# Allegro board PoF_TMR_A1-JAN-21-26.brd (continued)
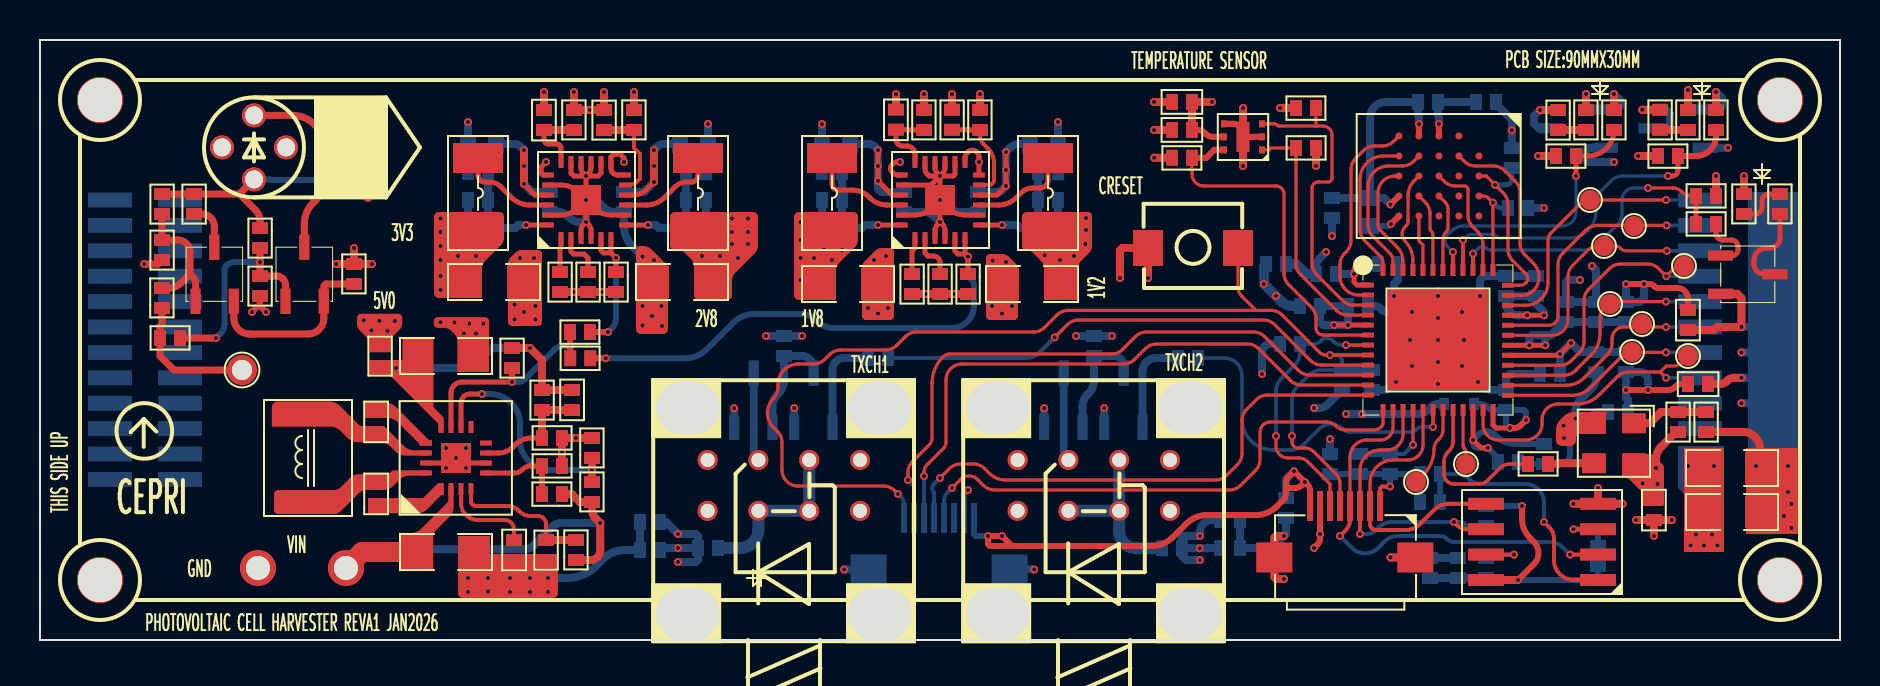
[diagram p0: board, top side]
## Routing (per net, layer and track width the routed paths; a pad name or vN(x,y) marks a point on that pad's centre or on a via; arc(x,y) is an arc through that point) (continued)
  BOTTOM w0.5: C51.2 62.8,18.8 63.3,18.3 C35.2
  vias: v1(20.02,15.89) v1(20.3,9.6) v1(20.3,8.6) v1(20.73,15.88) v1(21.2,15.33) v1(21.3,9.6) v1(21.3,8.6) v1(21.4,3.1) v1(21.4,2.4) v1(21.47,15.81) v1(21.8,15.33) v1(22.18,15.81) v1(22.4,3.1) v1(22.4,2.43) v1(23.5,3.1) v1(23.5,2.4) v1(23.73,16.77) v1(23.73,16.03) v1(24,19.1) v1(24.2,16.4) v1(24.5,3.1) v1(24.5,2.4) v1(24.7,19.1) v1(24.77,16.7) v1(24.77,16.03) v1(25.4,2.4) v1(30.13,16.7) v1(30.13,15.73) v1(30.6,16.2) v1(30.7,19) v1(31.07,16.7) v1(31.1,15.7) v1(41.4,16.6) v1(41.7,19) v1(41.9,16.33) v1(42.3,19.2) v1(42.4,16.6) v1(47.63,18.97) v1(47.6,16.7) v1(48.1,16.33) v1(48.3,18.9) v1(48.6,16.7) v1(68.5,15) v1(68.6,13.7) v1(69.9,17.2) v1(69.9,16.1) v1(69.9,15) v1(69.9,13.9) v1(69.9,12.8) v1(71.1,16.4) v1(71.1,13.7) v1(71.2,15) v1(76.18,10.72) v1(85.8,8.7) v1(87.2,6.2) v1(87.4,8.7) v1(87.4,7.4) v1(87.57,6.8) v1(87.57,5.6)
P1V2: length 63.2
  TOP w0.3: v1(79.3,12.5) v1(80.4,12.5) 81.41,12.5 arc(81.59,12.53) 81.73,12.63 81.77,12.67 arc(81.91,12.77) 82.09,12.8 C11.1 ; v1(79.3,17.8) v1(80.2,17.8) 80.48,17.8 arc(80.59,17.78) 80.68,17.72 80.72,17.68 arc(80.81,17.62) 80.92,17.6 81.88,17.6 arc(82.25,17.45) 82.4,17.07 C9.1
  VCC w0.3: v1(50.23,19.23) 50.37,19.09 arc(50.47,19.02) 50.6,19 v1(51,19) 51.2,19.2 v1(51.7,19.2) 52,19.5 52,19.52 v1(52.27,19.8) ; v1(79.3,12.5) 77.02,12.5 arc(76.72,12.56) 76.47,12.73 76.43,12.77 arc(76.18,12.94) 75.88,13 74.5,13 arc(73.44,13.44) 73,14.5 73,16.7 arc(72.56,17.76) 71.5,18.2 68.02,18.2 arc(67.45,18.09) 66.96,17.76 66.84,17.64 arc(66.35,17.31) 65.78,17.2 v1(61.8,17.2) v1(61.2,17.8) 59.64,19.36 arc(59.15,19.69) 58.58,19.8 v1(52.27,19.8) ; v1(79.3,12.5) v1(79.3,17.8) v1(80.2,17.8) ; v1(79.3,12.5) v1(80.4,12.5) ; v1(52.27,19.8) 52.3,19.83 v1(52.3,20.5) v1(52.3,21.1)
  BOTTOM w0.4: C25.2 50.9,21.41 50.9,21.4 R55.2 51.39,20.61 51.5,20.5 v1(52.3,20.5) ; C52.1 79.4,12.01 79.3,12.11 v1(79.3,12.5) R64.2 79.99,13.4 arc(80.28,13.28) 80.4,12.99 v1(80.4,12.5) ; v1(79.3,17.8) FB2.2 80,16.9 80.2,17.1 v1(80.2,17.8)
  BOTTOM w0.5: C51.1 61.2,18.7 v1(61.2,17.8) v1(61.8,17.2) 62.09,16.91 arc(62.32,16.76) 62.6,16.7 FB1.2
P1V8: length 218.4
  TOP w0.25: U5.22 v1(71.65,10) 71.95,9.71 arc(72.06,9.63) 72.2,9.6 v1(72.4,9.6) ; v1(75.2,16.24) v1(74.36,16.24) U5.33 ; v1(66,18.9) 65.79,18.69 arc(65.72,18.59) 65.7,18.48 v1(65.7,18.3) 65.7,17.9 65.85,17.75 U5.1
  TOP w0.3: 48.6,4.7 55.58,4.7 arc(56.15,4.81) 56.64,5.14 57.31,5.81 arc(57.79,6.13) 58.37,6.25 60.78,6.25 arc(61.36,6.36) 61.85,6.69 62.24,7.08 arc(62.29,7.25) 62.3,7.41 62.3,7.6 ; 48.6,4.7 v1(48.1,5.2) v1(47.4,5.2) 47.4,4.8 47.5,4.7 48.6,4.7 ; v1(63.24,7.9) 63.07,7.73 arc(62.93,7.63) 62.76,7.6 62.3,7.6 ; v1(63.24,7.9) 63.39,7.75 arc(63.47,7.63) 63.5,7.49 J1.8 ; v1(63.24,7.9) v1(62.7,8.44) 62.43,8.18 arc(62.33,8.03) 62.3,7.85 62.3,7.6 ; v1(74.1,6.7) 74.1,6.07 arc(74.2,5.54) 74.5,5.1 74.7,4.9 arc(74.93,4.35) 74.7,3.8 v1(73.9,3) ; C4.1 57.88,25.5 arc(58.07,25.46) 58.24,25.35 58.28,25.31 arc(58.45,25.2) 58.64,25.16 U1.5
  TOP w0.4: C4.1 C1.1 v1(58.6,26.9) ; U7.8 v1(73.9,3) ; R16.2 v1(83.8,23.2) ; R38.2 81.8,10.4 81.05,9.65 arc(80.87,9.37) 80.8,9.04 v1(80.8,8.6) ; R1.2 v1(62,26.6) ; R12.2 v1(63.8,23.7) ; R14.2 v1(79.9,24.2) ; R15.2 v1(55.71,24.11) ; R13.2 v1(74.9,24.2)
  VCC w0.127: v1(63.7,11.6) 61.3,11.6 arc(61.16,11.66) 61.1,11.8 v1(61.1,13.3)
  VCC w0.3: v1(74.9,24.2) 76.38,24.2 arc(76.95,24.09) 77.44,23.76 77.66,23.54 arc(78.15,23.21) 78.72,23.1 79.3,23.1 arc(79.72,23.28) 79.9,23.7 v1(79.9,24.2) 80.98,24.2 arc(81.55,24.09) 82.04,23.76 82.6,23.2 82.7,23.2 ; v1(74.9,24.2) 73.89,25.21 73.87,25.21 v1(73.59,25.49) ; v1(74.9,24.2) 74.9,23.87 arc(74.89,23.81) 74.86,23.77 74.8,23.71 arc(74.72,23.5) 74.8,23.3 74.92,23.18 arc(75.13,22.87) 75.2,22.5 v1(75.2,21.6) v1(75.2,16.24) v1(74.36,16.24) ; v1(38.7,19.1) 39.11,19.1 39.17,19.04 arc(39.21,19.01) 39.27,19 v1(39.6,19) ; v1(38.7,19.1) 39.12,19.52 v1(39.2,19.52) 39.69,19.52 39.71,19.5 v1(40.1,19.5) ; v1(38.7,19.1) v1(38.03,19.1) ; v1(48.1,5.2) v1(47.4,5.2) ; v1(62.7,8.44) v1(63.24,7.9) ; v1(63.24,7.9) 63.24,8.52 arc(63.29,8.77) 63.43,8.98 v1(64.5,10.05) arc(64.48,10.16) 64.41,10.26 63.8,10.87 63.8,11.02 63.7,11.12 v1(63.7,11.6) ; v1(63.24,7.9) 63.98,7.9 arc(64.55,8.01) 65.04,8.34 65.26,8.56 arc(65.75,8.89) 66.32,9 67.28,9 arc(67.85,8.89) 68.34,8.56 68.66,8.24 arc(69.15,7.91) 69.72,7.8 72.38,7.8 arc(72.95,7.69) 73.44,7.36 v1(74.1,6.7) 74.1,7.68 arc(74.06,7.88) 73.94,8.06 73.5,8.5 ; 82.7,23.2 83,22.9 83,13.43 arc(82.85,12.66) 82.41,12.01 81.24,10.84 arc(80.91,10.35) 80.8,9.78 v1(80.8,8.6) 80.43,8.6 arc(80.22,8.56) 80.04,8.44 79.86,8.26 ; 82.7,23.2 v1(83.8,23.2) ; v1(38.02,20.9) v1(38.02,20) 38.02,18.39 38.03,18.39 v1(38.03,18) ; v1(80.87,7.8) 80.64,7.57 arc(80.59,7.54) 80.53,7.52 80.51,7.52 arc(80.44,7.54) 80.39,7.57 v1(80.13,7.83) 79.9,8.06 arc(79.87,8.11) 79.86,8.17 79.86,8.26 ; v1(71.65,10) 71.84,10 arc(71.99,9.97) 72.11,9.89 v1(72.4,9.6) 73.5,8.5 ; 73.5,8.5 79.45,8.5 arc(79.6,8.47) 79.72,8.39 79.86,8.26
  VCC w0.5: v1(58.6,26.9) 58.6,25.7 ; 58.6,25.7 60.51,25.7 arc(61.06,25.81) 61.51,26.11 v1(62,26.6) 63.45,25.15 arc(63.71,24.76) 63.8,24.3 v1(63.8,23.7) 64.41,23.09 arc(64.55,22.88) 64.6,22.64 ; 58.6,25.7 57.43,24.53 arc(56.96,24.22) 56.41,24.11 v1(55.71,24.11) 53.74,24.11 arc(52.78,23.92) 51.97,23.38 50.7,22.11 arc(50.36,21.88) 49.95,21.8 49.9,21.8 arc(49.48,21.62) 49.3,21.2 49.3,18.4 arc(49.15,18.05) 48.8,17.9 47.27,17.9 arc(46.8,17.7) 46.6,17.23 46.6,16.4 arc(46.37,15.83) 45.8,15.6 43.8,15.6 arc(43.45,15.75) 43.3,16.1 43.3,16.92 arc(43.1,17.4) 42.62,17.6 39.9,17.6 39.6,17.9 v1(39.6,19) ; v1(65.7,18.3) 65.7,18.46 arc(65.73,18.59) 65.8,18.7 v1(66,18.9) 65.72,19.18 65.62,19.18 v1(64.6,20.2) 64.6,22.64 ; v1(75.2,21.6) 75.18,21.58 arc(74.76,21.3) 74.26,21.2 71,21.2 71,21.6 arc(70.44,22.94) 69.1,23.5 65.46,23.5 64.6,22.64
  BOTTOM w0.3: C45.1 73.79,9.8 arc(73.24,9.91) 72.78,10.22 72.72,10.28 arc(72.33,10.44) 71.93,10.28 v1(71.65,10) 71.65,9.85 arc(71.72,9.67) 71.9,9.6 v1(72.4,9.6) 72.9,9.1 C46.1 ; R74.2 77.9,3.2 77.7,3 v1(73.9,3) 73.14,3 73.04,3.1 R75.2 ; v1(48.1,5.2) v1(47.4,5.2) 46.8,5.2 46.7,5.3 J4.8 ; R71.2 v1(74.1,6.7)
  BOTTOM w0.4: v1(62.7,8.44) 62.3,8.04 C49.1 ; v1(66,18.9) 66.4,18.9 66.5,18.8 C34.1 ; v1(75.2,16.24) 75.2,16.4 74.8,16.8 C36.1 C37.1 73.3,16.82 arc(73.34,16.62) 73.45,16.45 73.51,16.39 arc(73.68,16.28) 73.88,16.24 v1(74.36,16.24) ; R75.2 C47.1 C48.1 ; R59.1 61.51,14.8 arc(61.22,14.68) 61.1,14.39 v1(61.1,13.3) ; R65.1 64.35,11.75 arc(64.18,11.64) 63.99,11.6 v1(63.7,11.6) ; R54.2 v1(75.2,21.6) ; C35.1 v1(65.7,18.3) ; C26.2 39.1,21.41 39.1,21.4 R56.2 39.2,20.5 v1(39.2,19.52) ; R48.2 v1(73.59,25.49) 73.6,25.5 73.6,26 72.8,26.8 C50.1 ; R68.2 v1(64.5,10.05) ; L6.2 v1(64.6,20.2)
P2V8: length 57.9
  VCC w0.5: 64.6,13 64.26,13 arc(64.02,13.05) 63.82,13.18 62.53,14.47 arc(61.72,15.01) 60.76,15.2 59.64,15.2 arc(58.68,15.39) 57.87,15.93 57.53,16.27 arc(56.72,16.81) 55.76,17 51.91,17 arc(50.95,16.81) 50.14,16.27 48.9,15.03 arc(48.09,14.49) 47.14,14.3 42.02,14.3 arc(41.06,14.49) 40.25,15.03 39.22,16.07 arc(38.41,16.61) 37.45,16.8 36.05,16.8 arc(35.63,16.88) 35.28,17.12 34.9,17.5 ; 64.6,13 65.37,13 arc(65.93,12.89) 66.4,12.57 66.47,12.5 arc(66.64,12.09) 66.47,11.67 v1(66.1,11.3) v1(65.3,11.3) 65.3,12.07 arc(65.26,12.28) 65.14,12.46 64.6,13 ; 34.9,17.5 34.27,17.5 arc(33.44,17.84) 33.1,18.67 v1(33.1,19.2) v1(34,19.2) v1(34.6,19.8) v1(34.6,20.4) v1(34.6,21.07) v1(35.4,21.07) v1(35.4,20.4) v1(35.4,19.8) 35.4,19.21 35.29,19.1 v1(34.9,19.1) 34.9,17.5
  BOTTOM w0.4: C27.2 33.3,21.21 33.3,21.2 R57.2 33.79,20.61 34,20.4 v1(34.6,20.4) ; D6.2 69.91,11.8 arc(69.72,11.76) 69.55,11.65 69.42,11.52 arc(69.18,11.36) 68.89,11.3 v1(66.1,11.3) v1(65.3,11.3)
P3V3: length 175.4
  TOP w0.4: D3.2 v1(85.2,23.2) ; D1.2 v1(77.3,27.3) ; D2.2 v1(82.4,27.5)
  VCC w0.3: v1(17.2,23) 16.68,22.48 16.68,22.38 v1(16.4,22.1) ; v1(17.2,23) 16.68,23.52 16.68,23.62 v1(16.4,23.9) ; v1(17.2,23) 18.98,23 arc(19.55,22.89) 20.04,22.56 20.1,22.5 arc(20.3,22.02) 20.1,21.54 20.03,21.46 v1(20.03,21.07) v1(20.03,20.4) v1(20.03,19.7) v1(20.03,19) ; v1(38.1,15.2) v1(36.3,15.2) 37,14.5 arc(37.43,13.45) 37,12.4 36.5,11.9 arc(36.29,11.4) 36.5,10.9 36.86,10.54 arc(37.19,10.05) 37.3,9.48 37.3,5.42 arc(37.26,5.22) 37.14,5.04 36.7,4.6 ; 36.7,4.6 v1(31.9,4.6) ; 36.7,4.6 42.61,4.6 arc(42.97,4.53) 43.28,4.32 43.6,4 ; v1(31.9,4.6) v1(31.9,3.9) ; v1(31.9,4.6) v1(31.9,5.3) 31.67,5.3 arc(31.52,5.27) 31.39,5.18 31.31,5.1 arc(31,4.97) 30.7,5.1 29.24,6.56 arc(28.91,7.05) 28.8,7.62 28.8,10.28 arc(28.69,10.85) 28.36,11.34 27.44,12.26 arc(26.95,12.59) 26.38,12.7 26.12,12.7 arc(25.55,12.81) 25.06,13.14 24.84,13.36 arc(24.35,13.69) 23.78,13.8 19.03,13.8 18.9,13.93 18.9,15.75 arc(19.01,16.33) 19.34,16.81 v1(20.03,17.5) v1(20.03,18.2) v1(20.03,19) ; v1(83.7,8.7) 83.7,5.76 83.6,5.66 v1(83.6,5.27) ; v1(83.7,8.7) v1(82.4,8.7) ; v1(83.7,8.7) 83.8,8.7 86.16,11.06 arc(86.49,11.55) 86.6,12.12 86.6,21.18 arc(86.49,21.75) 86.16,22.24 v1(85.2,23.2) 85.39,23.39 arc(85.5,23.55) 85.54,23.75 85.54,24.66 arc(85.24,25.38) 84.53,25.68 82.4,25.68 ; v1(20.03,19) 20.5,19 20.7,19.2 v1(20.9,19.2) v1(21.8,19.2) ; v1(58,5.2) 57.99,5.19 v1(57.99,4.59) ; 53.71,4.59 53.04,5.26 arc(52.71,5.75) 52.6,6.32 52.6,9.68 arc(52.54,9.98) 52.37,10.23 52.1,10.5 arc(51.69,11.5) 52.1,12.5 53.2,13.6 arc(53.5,14.04) 53.6,14.57 v1(53.6,15.2) v1(51.8,15.2) ; 53.71,4.59 v1(57.99,4.59) ; 53.71,4.59 52.12,3 ; 82.4,25.68 77.92,25.68 arc(77.48,25.86) 77.3,26.3 v1(77.3,27.3) ; 82.4,25.68 v1(82.4,27.5) ; v1(57.99,4.59) 60.32,4.59 arc(60.68,4.52) 60.98,4.32 61.03,4.27 arc(61.33,4.07) 61.69,4 62.26,4 arc(62.76,3.9) 63.18,3.62 63.22,3.58 arc(63.64,3.3) 64.14,3.2 69.18,3.2 arc(69.75,3.31) 70.24,3.64 71.76,5.16 arc(72.25,5.49) 72.82,5.6 74,5.6 arc(74.71,5.31) 75,4.6 75,4.1 arc(75.15,3.75) 75.5,3.6 81.8,3.6 arc(82.29,3.81) 82.5,4.3 82.5,4.31 82.53,4.34 v1(82.53,4.73) ; v1(57.99,4.59) 58,4.58 v1(58,4) ; 83.2,4.87 v1(83.2,4.73) ; 83.2,4.87 v1(82.8,5.27) ; 83.2,4.87 v1(83.6,5.27) ; v1(83.2,4.73) v1(82.53,4.73) ; v1(83.2,4.73) v1(83.87,4.73) 83.87,5 v1(83.6,5.27) ; v1(82.8,5.27) v1(83.6,5.27) ; v1(82.8,5.27) 82.53,5 v1(82.53,4.73)
  BOTTOM w0.4: R72.1 v1(57.99,4.59) 58.38,4.59 58.39,4.6 C55.1 ; R72.1 57.1,5.1 57.2,5.2 v1(58,5.2) 58,5.4 arc(58.18,5.82) 58.6,6 C56.1 ; R72.1 57.1,4.2 57.3,4 v1(58,4) ; R53.1 v1(16.4,23.9) ; R53.1 v1(17.2,23) ; R53.1 v1(16.4,22.1) ; v1(51.8,15.2) R60.2 v1(53.6,15.2) ; v1(31.9,3.9) 32.79,3.9 32.9,4.01 R73.1 ; R73.1 v1(31.9,4.6) 31.1,4.6 C54.1 ; R73.1 32.9,5.19 32.79,5.3 v1(31.9,5.3) 31.3,5.9 C53.1 ; v1(36.3,15.2) R61.2 v1(38.1,15.2) ; C28.2 R58.2 20.62,20.6 20.42,20.4 v1(20.03,20.4)
P5V0: length 135.7
  TOP w0.25: U4.10 47.85,22.25 v1(48.3,22.7) v1(48.3,23.5) v1(48.3,24.4) ; v1(24.2,22.8) 24.75,22.25 U3.21 ; v1(41.9,24.5) v1(41.9,23.7) v1(41.9,22.96) 42.61,22.25 U4.21 ; v1(30.7,22.9) 30.32,22.52 arc(30.02,22.32) 29.68,22.25 U3.10
  TOP w0.4: R4.2 v1(44.2,27.3) ; R29.2 v1(45.7,17.3) R28.2 v1(44.3,17.3) R27.2 ; R5.1 v1(45.6,27.3) ; v1(24.2,24.5) v1(24.2,23.7) v1(24.2,22.8) ; v1(28.2,27.4) R10.1 v1(27.5,26.5) R2.2 v1(26.7,27.4) ; v1(30.7,22.9) v1(30.7,23.7) v1(30.7,24.5) ; R24.2 v1(26.7,17.4) R25.2 v1(28.1,17.4) R26.2
  VCC w0.4: v1(45.7,17.3) v1(44.3,17.3)
  VCC w0.5: 44.3,19.7 45.6,19.7 46.6,20.7 46.6,22 47.3,22.7 v1(48.3,22.7) v1(48.3,23.5) v1(48.3,24.4) 48.3,24.8 46.9,26.2 45.65,26.2 45.47,26.37 ; 44.3,19.7 43.2,20.8 43.2,21.66 v1(41.9,22.96) v1(41.9,23.7) v1(41.9,24.5) 41.9,26.07 41.6,26.37 ; 44.3,19.7 45.1,18.9 45.1,17.3 ; 44.93,26.37 44.8,26.5 44.8,26.7 v1(44.2,27.3) ; 44.93,26.37 45.47,26.37 ; 44.93,26.37 41.6,26.37 ; v1(16.97,15.96) 16.97,17.03 16.5,17.5 13.5,17.5 12.8,18.2 12.8,21.4 14.7,23.3 14.7,25.5 16.3,27.1 23.3,27.1 25.05,25.35 ; v1(16.97,15.96) 16.94,15.99 v1(16.19,15.99) 16.57,15.61 v1(16.57,15.48) 16.88,15.17 17.1,15.17 v1(17.38,15.45) 17.38,15.59 v1(17.74,15.95) 17.73,15.96 v1(16.97,15.96) ; v1(26.7,27.4) 26.98,27.12 26.98,27.02 v1(27.5,26.5) ; v1(45.6,27.3) 45.6,26.5 45.47,26.37 ; 27.5,25.8 v1(27.5,26.5) ; 27.5,25.8 27.1,25.4 25.1,25.4 25.05,25.35 ; 27.5,25.8 29.77,25.8 ; v1(27.5,26.5) 27.92,26.92 27.92,27.12 v1(28.2,27.4) ; v1(30.7,22.9) v1(30.7,23.7) v1(30.7,24.5) 30.7,25 29.9,25.8 29.77,25.8 ; 29.77,25.8 30.97,27 40.1,27 40.73,26.37 41.6,26.37 ; 25.05,25.35 v1(24.2,24.5) v1(24.2,23.7) v1(24.2,22.8) 25.85,21.15 25.85,19.95 26.7,19.1 v1(26.7,17.4) v1(28.1,17.4)
  BOTTOM w0.4: C22.2 41.43,24.8 arc(41.59,24.77) 41.72,24.68 v1(41.9,24.5) v1(41.9,23.7) v1(41.9,22.96) 41.9,22.57 42.07,22.4 C30.2 ; C32.2 24.6,22.4 v1(24.2,22.8) v1(24.2,23.7) v1(24.2,24.5) 24.02,24.68 arc(23.89,24.77) 23.73,24.8 C24.2 ; C21.2 48.94,24.8 arc(48.72,24.76) 48.53,24.63 v1(48.3,24.4) v1(48.3,23.5) v1(48.3,22.7) 48,22.4 C29.2 ; C23.2 31.17,24.8 arc(31.01,24.77) 30.88,24.68 v1(30.7,24.5) v1(30.7,23.7) v1(30.7,22.9) 30.2,22.4 C31.2
VIN: length 23.2
  TOP w0.4: R46.1 27.53,4 arc(27.87,4.14) 28.01,4.48 v1(28.01,5.85) 27.78,6.08 arc(27.65,6.28) 27.6,6.51 R44.1 26.99,6.9 26.59,7.3 R45.1
  TOP w1: C19.1 16.1,4.4 TP3.1
  BOTTOM w0.4: v1(28.01,5.85) 26.06,5.85 arc(25.82,5.8) 25.61,5.66 24.68,4.73 arc(24.47,4.59) 24.23,4.54 16.5,4.54 arc(16.26,4.49) 16.05,4.35 TP3.1
ALERT: length 15.7
  TOP w0.16: U5.3 65.68,16.75 arc(65.38,16.81) 65.12,16.98 63.83,18.27 arc(63.66,18.53) 63.6,18.83 63.6,22.6 arc(63.69,22.81) 63.9,22.9 64.4,22.9 arc(64.54,22.96) 64.6,23.1 64.6,25.25 arc(64.47,25.57) 64.15,25.7 63.8,25.7 ; U1.3 61.72,25.81 arc(61.79,25.8) 61.84,25.76 61.85,25.75 arc(61.9,25.71) 61.97,25.7 63.8,25.7 ; 63.8,25.7 R1.1
CDONE: length 13.8
  TOP w0.16: J1.6 64.5,7.8 63.39,8.91 arc(63.18,9.05) 62.94,9.1 62.4,9.1 arc(61.98,9.28) 61.8,9.7 v1(61.8,10.2)
  TOP w0.18: U5.7 v1(65.3,14.75)
  BOTTOM w0.18: v1(65.3,14.75) 65.06,14.75 arc(64.87,14.79) 64.71,14.89 64.61,14.99 arc(64.35,15.1) 64.09,14.99 arc(63.88,14.85) 63.64,14.8 R59.2 63,14.38 arc(62.93,14.03) 62.74,13.74 62.06,13.06 arc(61.87,12.78) 61.8,12.44 v1(61.8,10.2)
CRESET: length 60.3
  TOP w0.16: v1(64.5,14.25) 64.29,14.25 arc(64.12,14.28) 63.98,14.37 62.11,16.25 arc(61.85,16.42) 61.55,16.48 60.8,16.48 ; 60.8,16.48 51.41,16.48 arc(51.11,16.42) 50.85,16.25 50.23,15.63 arc(49.97,15.46) 49.67,15.4 43.83,15.4 arc(43.53,15.34) 43.27,15.17 42.83,14.73 arc(42.57,14.56) 42.27,14.5 40.04,14.5 arc(39.73,14.44) 39.47,14.27 39.24,14.03 arc(38.98,13.86) 38.68,13.8 37.92,13.8 arc(37.2,13.5) 36.9,12.78 36.9,12.63 arc(36.84,12.33) 36.67,12.07 arc(36.37,11.35) 36.67,10.63 36.87,10.43 arc(37.04,10.17) 37.1,9.87 37.1,8.5 arc(37.33,7.93) 37.9,7.7 42.16,7.7 arc(42.47,7.64) 42.74,7.46 v1(42.9,7.3) ; 60.8,16.48 60.09,17.19 arc(59.95,17.4) 59.9,17.64 SW1.1 ; J1.5 65,7.84 arc(64.95,8.08) 64.81,8.29 63.69,9.41 arc(63.48,9.55) 63.24,9.6 62.89,9.6 arc(62.68,9.68) 62.6,9.89 v1(62.6,10.2)
  TOP w0.18: U5.8 v1(64.5,14.25)
  BOTTOM w0.18: R65.2 64.07,13.5 arc(63.73,13.43) 63.44,13.24 62.86,12.66 arc(62.67,12.37) 62.6,12.03 v1(62.6,10.2)
  BOTTOM w0.2: v1(64.5,14.25) 64.82,14.25 arc(64.92,14.23) 65,14.18 65.03,14.15 arc(65.08,14.07) 65.1,13.97 R65.2 ; J4.1 43.2,6.81 arc(43.16,6.99) 43.06,7.14 v1(42.9,7.3)
  BOTTOM w0.4: C43.2 R65.2
EFLASH_CS: length 13.1
  TOP w0.2: U7.1 76.7,3 arc(75.99,3.29) 75.7,4 75.7,5.07 arc(75.64,5.37) 75.46,5.64 v1(75.2,5.9)
  BOTTOM w0.2: R69.1 70.87,8.3 arc(71.17,8.24) 71.44,8.06 71.46,8.04 arc(71.73,7.86) 72.03,7.8 74.27,7.8 arc(74.93,7.53) 75.2,6.87 v1(75.2,5.9)
  BOTTOM w0.3: R70.1 R69.1
EN_ME1: length 26.4
  TOP w0.25: 46.25,19.3 45.9,19.3 45.75,19.45 U4.5 ; 46.25,19.3 U4.6 ; 46.25,19.3 46.27,19.3 v1(46.4,19.17) R29.1
  TOP w0.3: R36.1 v1(28.29,14.09)
  BOTTOM w0.3: v1(46.4,19.17) 46.4,18.38 arc(46.43,18.21) 46.53,18.07 46.57,18.03 arc(46.67,17.89) 46.7,17.72 46.7,16.72 arc(46.37,15.93) 45.58,15.6 39.66,15.6 arc(39.24,15.69) 38.87,15.93 38.83,15.97 arc(38.46,16.21) 38.03,16.3 35.72,16.3 arc(35.15,16.19) 34.66,15.86 33.33,14.53 arc(32.84,14.2) 32.27,14.09 v1(28.29,14.09)
EN_ME2: length 7.7
  TOP w0.25: U3.6 28.55,19.36 ; 28.55,19.36 v1(28.8,19.11) R26.1 ; 28.55,19.36 28.18,19.36 28.05,19.48 U3.5
  TOP w0.3: R32.1 v1(28.4,15.4)
  BOTTOM w0.3: v1(28.4,15.4) 28.62,15.62 arc(28.75,15.82) 28.8,16.05 v1(28.8,19.11)
EXT_12MHZ: length 8.2
  TOP w0.175: U5.20 70.65,9.92 arc(70.6,9.67) 70.47,9.47 70.39,9.39 arc(70.25,9.18) 70.2,8.94 70.2,8.3 arc(70.35,7.95) 70.7,7.8 71.94,7.8 arc(72.18,7.85) 72.39,7.99 73.01,8.61 arc(73.22,8.75) 73.46,8.8 R42.1
FAST_CS: length 7.9
  TOP w0.2: v1(67.5,7.67) 67.1,7.67 67,7.57 J1.1
  BOTTOM w0.3: R70.2 R69.2 R66.2 ; R68.1 65.18,8.29 65.19,8.3 R67.2 R66.2 ; R66.2 v1(67.5,7.67)
FAST_MISO: length 21.8
  TOP w0.16: U5.14 67.65,10.62 arc(67.47,10.18) 67.03,10 66.35,10 arc(65.75,9.75) 65.5,9.15 J1.4
  TOP w0.2: v1(65,5.2) 65.26,5.46 arc(65.44,5.73) 65.5,6.03 J1.4 ; U7.2 v1(76.5,4.27)
  BOTTOM w0.2: v1(76.5,4.27) 76.16,4.61 arc(75.84,4.82) 75.46,4.9 70.73,4.9 arc(70.52,4.94) 70.34,5.06 arc(70.19,5.16) 70.01,5.2 67.91,5.2 arc(67.53,5.12) 67.21,4.91 66.9,4.6 arc(66.25,4.33) 65.6,4.6 v1(65,5.2)
FAST_MOSI: length 14
  TOP w0.16: J1.2 66.5,7.84 arc(66.84,8.66) 67.66,9 68.39,9 arc(68.93,9.22) 69.15,9.76 U5.17
  TOP w0.2: J1.2 66.5,5.8 arc(66.59,5.59) 66.8,5.5 68.29,5.5 arc(68.67,5.58) 68.99,5.79 69.72,6.52 arc(70.04,6.73) 70.42,6.81 U7.5
FAST_SCLK: length 15.8
  TOP w0.16: J1.3 66,8.49 arc(66.3,9.2) 67.01,9.5 67.35,9.5 arc(67.92,9.73) 68.15,10.3 U5.15
  TOP w0.2: v1(66,5.3) J1.3 ; v1(70.7,5.9) 70.89,5.71 arc(71.08,5.58) 71.3,5.54 U7.6
  BOTTOM w0.2: v1(66,5.3) 66.32,5.3 arc(66.58,5.35) 66.8,5.5 66.91,5.61 arc(67.23,5.83) 67.6,5.9 v1(70.7,5.9) 71.01,5.9 arc(71.12,5.88) 71.21,5.81 71.24,5.79 arc(71.34,5.72) 71.45,5.7 R71.1
ICE_CS: length 4.6
  TOP w0.16: U5.16 v1(68.65,9.75)
  BOTTOM w0.2: R66.1 68.2,9.3 v1(68.65,9.75)
  BOTTOM w0.3: R67.1 R66.1
IO19: length 4
  TOP w0.16: TP4.1 69.18,8.28 arc(69.56,8.86) 69.7,9.54 arc(69.75,9.78) 69.89,9.99 69.97,10.07 arc(70.1,10.27) 70.15,10.52 U5.19
IO21: length 2.7
  TOP w0.16: TP5.1 71.3,9.4 arc(71.28,9.48) 71.23,9.56 71.22,9.57 arc(71.17,9.65) 71.15,9.73 U5.21
IO_23: length 15.5
  TOP w0.15: TP13.1 82.04,13.84 arc(81.89,13.74) 81.71,13.7 81.49,13.7 ; 81.31,13.7 81.01,13.4
  TOP w0.16: 81.49,13.7 81.31,13.7 ; v1(81.3,13.11) 81.01,13.4 80.72,13.4 arc(80.7,13.4) 80.68,13.4 79.43,13.4 arc(79.13,13.34) 78.87,13.17 77.95,12.25 arc(77.45,11.92) 76.87,11.8 75.9,11.8 arc(75.33,11.57) 75.1,11 75.1,10.8 arc(74.87,10.23) 74.3,10 72.92,10 arc(72.38,10.23) 72.15,10.77 U5.23
  BOTTOM w0.18: J2.17 v1(81.3,13.11)
IO_25: length 10.7
  TOP w0.127: TP12.1 79.88,14.4 79.9,14.38
  TOP w0.16: U5.25 76.6,12.24 arc(77.1,12.33) 77.51,12.61 79.05,14.15 arc(79.31,14.32) 79.61,14.38 v1(81.3,14.38)
  BOTTOM w0.18: J2.18 v1(81.3,14.38)
IO_26: length 11.3
  TOP w0.127: 80.1,15.65 TP11.1
  TOP w0.16: U5.26 76.3,12.74 arc(76.8,12.83) 77.21,13.11 78.37,14.27 arc(78.54,14.53) 78.6,14.83 78.6,15.06 arc(78.77,15.48) 79.19,15.65 v1(81.3,15.65)
  BOTTOM w0.18: J2.19 v1(81.3,15.65)
IO_27: length 11.9
  TOP w0.16: v1(81.3,16.92) 79.1,16.92 arc(78.89,16.9) 78.68,16.86 TP10.1 arc(78.14,16.54) 78,16.12 78,15.31 arc(77.89,14.75) 77.57,14.27 76.77,13.47 arc(76.51,13.3) 76.2,13.24 U5.27
  BOTTOM w0.18: J2.20 v1(81.3,16.92)
IO_28: length 14.5
  TOP w0.15: TP9.1 81.82,18.7 v1(81.31,18.19)
  TOP w0.16: U5.28 76,13.74 arc(76.31,13.8) 76.57,13.97 76.97,14.37 arc(77.14,14.63) 77.2,14.93 77.2,16.97 arc(77.26,17.27) 77.43,17.53 78.47,18.57 arc(78.73,18.74) 79.03,18.8 80.37,18.8 arc(80.67,18.74) 80.93,18.57 v1(81.31,18.19)
  BOTTOM w0.18: J2.21 v1(81.31,18.19)
IO_31: length 13
  TOP w0.15: U5.31 75.61,15.24 arc(76.17,15.47) 76.4,16.02 76.4,18.17 arc(76.46,18.47) 76.63,18.73 77.13,19.23 arc(77.14,19.24) 77.15,19.25 77.4,19.5 arc(77.62,19.65) 77.89,19.7 TP8.1 78.75,19.7 arc(78.9,19.67) 79.02,19.59 79.04,19.57 arc(79.16,19.49) 79.3,19.46 v1(81.34,19.46)
  BOTTOM w0.18: J2.22 v1(81.34,19.46)
IO_32: length 13.7
  TOP w0.127: TP7.1 79.97,20.7 80,20.73
  TOP w0.16: U5.32 75.45,15.74 arc(75.77,15.87) 75.9,16.18 75.9,18.77 arc(75.96,19.07) 76.13,19.33 77.3,20.5 arc(77.56,20.67) 77.86,20.73 v1(81.33,20.73)
  BOTTOM w0.18: J2.23 v1(81.33,20.73)
IO_34: length 13.3
  TOP w0.16: U5.34 74.27,16.74 arc(75.07,17.07) 75.4,17.87 75.4,20.01 arc(75.43,20.19) 75.53,20.33 76.97,21.77 arc(77.23,21.94) 77.53,22 ; 77.53,22 TP6.1 ; 77.53,22 v1(81.3,22)
  BOTTOM w0.18: J2.24 v1(81.3,22)
LED0: length 15.6
  TOP w0.16: R16.1 82.54,22.2 arc(82.33,22.24) 82.15,22.36 82.1,22.41 arc(81.89,22.55) 81.64,22.6 v1(80.4,22.6)
  TOP w0.2: U5.39 v1(71.65,19.32)
  TOP w0.25: R16.1 R20.1
  BOTTOM w0.16: v1(80.4,22.6) 79.7,22.6 arc(79.28,22.42) 79.1,22 79.1,21.33 arc(79.04,21.03) 78.87,20.77 77.83,19.73 arc(77.57,19.56) 77.27,19.5 72.53,19.5 arc(72.41,19.52) 72.31,19.59 72.3,19.6 arc(72.11,19.68) 71.93,19.6 v1(71.65,19.32)
LED1: length 17.9
  TOP w0.2: U5.40 v1(71.15,20)
  TOP w0.25: R14.1 81.9,23.5 arc(81.81,23.29) 81.6,23.2 v1(81.4,23.2)
  TOP w0.3: R14.1 82.8,24.2 arc(83.51,24.49) 83.8,25.2 R9.1
  BOTTOM w0.16: v1(81.4,23.2) 79.13,23.2 arc(78.83,23.14) 78.57,22.97 78.03,22.43 arc(77.86,22.17) 77.8,21.87 77.8,21.43 arc(77.7,20.92) 77.41,20.49 arc(76.98,20.2) 76.47,20.1 73.01,20.1 arc(72.91,20.12) 72.82,20.18 72.8,20.2 arc(72.72,20.26) 72.62,20.28 71.6,20.28 arc(71.44,20.24) 71.3,20.15 v1(71.15,20)
LED2: length 14.4
  TOP w0.2: U5.41 v1(70.65,19.4)
  TOP w0.25: v1(76.8,23.2) R13.1 77.4,24.2 arc(78.32,24.58) R7.1
  BOTTOM w0.16: v1(76.8,23.2) 76.8,21.38 arc(76.6,20.9) 76.12,20.7 71.16,20.7 arc(70.85,20.64) 70.59,20.47 70.37,20.24 arc(70.25,19.96) 70.37,19.68 v1(70.65,19.4)
PGOOD: length 10.7
  TOP w0.25: U6.11 20.55,12.35 arc(20.71,12.74) 21.1,12.9 v1(23.6,12.9)
  TOP w0.3: R32.2 v1(26.5,14.7) 26.5,14.69 26.51,14.68 R36.2 ; v1(23.6,12.9) R35.2
  BOTTOM w0.3: v1(23.6,12.9) 23.88,12.9 arc(24.08,12.94) 24.26,13.06 25.71,14.51 arc(25.92,14.65) 26.17,14.7 v1(26.5,14.7)
RAM_ADQ0: length 5.1
  TOP w0.16: U5.45 68.65,18.99 arc(68.54,19.51) 68.25,19.95 arc(68.1,20.3) 68.25,20.65 68.31,20.71 arc(68.38,20.81) 68.4,20.93 68.4,21.01 68.4,21.01 68.4,22.22 arc(68.48,22.62) 68.71,22.97 U2.D3
RAM_ADQ1: length 7.9
  TOP w0.16: U2.D2 68.68,23.93 arc(68.42,23.76) 68.12,23.7 67.42,23.7 arc(66.7,23.4) 66.4,22.68 66.4,20.76 arc(66.46,20.45) 66.63,20.19 67.48,19.34 arc(67.6,19.16) 67.65,18.95 U5.47
RAM_ADQ2: length 3.9
  TOP w0.16: U5.42 70.15,20.01 arc(70.19,20.23) 70.31,20.41 70.33,20.43 arc(70.38,20.51) 70.4,20.59 70.4,21.56 arc(70.37,21.73) 70.27,21.88 U2.C4
RAM_ADQ3: length 3.9
  TOP w0.16: U2.D4 69.27,21.88 arc(69.44,21.62) 69.5,21.32 69.5,20.59 arc(69.52,20.51) 69.56,20.44 69.58,20.42 arc(69.63,20.35) 69.65,20.27 U5.43
RAM_ADQ4: length 2.8
  TOP w0.16: U2.D5 68.95,19.95 69.15,19.75 U5.44
RAM_ADQ5: length 5.8
  TOP w0.16: U5.46 68.15,18.95 arc(68.07,19.32) 67.86,19.64 67.01,20.49 arc(66.93,20.61) 66.9,20.76 66.9,22.35 arc(67.15,22.95) 67.75,23.2 U2.E3
RAM_ADQ6: length 7.6
  TOP w0.16: U5.48 67.15,18.89 arc(67.12,19.04) 67.03,19.17 66.23,19.97 arc(66.06,20.23) 66,20.53 66,23.02 arc(66.34,23.86) 67.18,24.2 U2.E2
RAM_ADQ7: length 10.6
  TOP w0.16: U2.E1 67.68,24.93 arc(67.42,24.76) 67.12,24.7 66.73,24.7 arc(66.43,24.64) 66.17,24.47 65.78,24.08 arc(65.61,23.82) 65.55,23.52 65.55,19.98 arc(65.49,19.68) 65.32,19.42 65.23,19.33 arc(65.06,19.07) 65,18.77 65,18.19 arc(65.28,17.52) 65.94,17.25 U5.2
RAM_CE: length 9
  TOP w0.16: U2.A3 72.31,23.2 v1(72.76,22.76) 73.17,22.35 arc(73.34,22.09) 73.4,21.78 73.4,19.53 arc(73.46,19.23) 73.63,18.97 74.3,18.3 arc(74.39,18.08) 74.3,17.87 74.29,17.85 arc(74.16,17.77) 74,17.74 U5.36
  BOTTOM w0.25: v1(72.76,22.76) 73.3,22.76 arc(73.5,22.84) 73.59,23.05 R48.1
RAM_CLK: length 10.5
  TOP w0.16: U5.35 74.1,17.24 arc(74.41,17.3) 74.67,17.47 arc(74.95,18.15) 74.67,18.83 74.23,19.27 arc(74.06,19.53) 74,19.83 74,22.37 arc(73.94,22.67) 73.77,22.93 73.23,23.47 arc(72.97,23.64) 72.67,23.7 71.78,23.7 arc(71.47,23.76) 71.21,23.93 U2.B2
RAM_DQS: length 6
  TOP w0.16: U2.C3 70.21,22.93 arc(70.47,22.76) 70.78,22.7 71.24,22.7 arc(71.35,22.65) 71.4,22.54 71.4,21.23 arc(71.46,20.93) 71.63,20.67 71.91,20.39 arc(72.09,20.13) 72.15,19.82 U5.38
RAM_RST: length 5
  TOP w0.16: U2.A4 72.15,22.2 arc(72.3,22.17) 72.43,22.08 v1(72.65,21.87) U5.37
  BOTTOM w0.25: v1(72.65,21.87) 72.8,21.72 arc(72.92,21.63) 73.08,21.6 R54.1
SCL: length 12.3
  TOP w0.16: U1.1 61.44,24.51 61.53,24.6 R12.1 62.8,18.83 arc(62.86,18.53) 63.03,18.27 64.82,16.48 arc(65.08,16.31) 65.38,16.25 U5.4
SDA: length 17.8
  TOP w0.16: U5.6 64.15,15.25 arc(63.9,15.35) 63.8,15.6 63.8,16.07 arc(63.74,16.37) 63.57,16.63 62.43,17.77 arc(62.26,18.03) 62.2,18.33 62.2,22.3 arc(62.08,22.58) 61.8,22.7 58.2,22.7 arc(57.78,22.88) 57.6,23.3 R15.1
  TOP w0.3: R15.1 58.09,24.11 58.1,24.1 58.3,24.1 58.71,24.51 U1.6
SYNC-1: length 5
  TOP w0.2: R6.1 47,25.22 arc(47.04,24.99) 47.17,24.8 47.41,24.57 arc(47.62,24.24) 47.7,23.86 47.7,23 arc(47.63,22.82) 47.45,22.75 U4.11
  TOP w0.25: R5.2 46.4,25.51 46.41,25.5 R6.1
SYNC-2: length 4.9
  TOP w0.2: R3.1 29.7,24.6 30,24.3 30,23.07 29.78,22.85 arc(29.58,22.77) 29.37,22.75 U3.11
  TOP w0.4: R10.2 R3.1
TCK: length 31.3
  TOP w0.16: U5.10 63.48,13.25 arc(63.18,13.31) 62.92,13.48 61.23,15.17 arc(60.97,15.34) 60.67,15.4 55.33,15.4 arc(55.03,15.34) 54.77,15.17 54.13,14.53 arc(53.87,14.36) 53.57,14.3 45.49,14.3 arc(45.31,14.26) 45.15,14.16 arc(44.74,13.55) 44.6,12.83 44.6,10.09 arc(44.57,9.91) 44.47,9.77 43.63,8.93 arc(43.46,8.67) 43.4,8.37 v1(43.4,8)
  BOTTOM w0.2: v1(43.4,8) 43.7,7.7 J4.2
TDI: length 27
  TOP w0.16: U5.12 61.38,12.25 arc(61.07,12.19) 60.81,12.01 60.33,11.53 arc(60.16,11.27) 60.1,10.97 60.1,9.33 arc(60.04,9.03) 59.87,8.77 59.33,8.23 arc(59.07,8.06) 58.77,8 48.27,8 arc(47.84,8.09) 47.47,8.33 47.23,8.57 arc(46.97,8.74) 46.67,8.8 46.03,8.8 arc(45.73,8.74) 45.47,8.57 v1(45,8.1)
  BOTTOM w0.2: v1(45,8.1) 44.7,7.8 arc(44.61,7.59) 44.7,7.38 44.7,7.37 J4.4
TDO: length 30
  TOP w0.16: U5.11 63.08,12.75 arc(62.78,12.81) 62.52,12.98 60.93,14.57 arc(60.67,14.74) 60.37,14.8 55.83,14.8 arc(55.53,14.74) 55.27,14.57 54.73,14.03 arc(54.47,13.86) 54.17,13.8 46.1,13.8 arc(45.53,13.57) 45.3,13 45.3,9.9 arc(45.27,9.72) 45.17,9.57 44.33,8.74 arc(44.23,8.59) 44.2,8.42 v1(44.2,8.2)
  BOTTOM w0.2: v1(44.2,8.2) J4.3
TMS: length 27
  TOP w0.16: v1(45.6,7.6) 46.04,8.04 arc(46.45,8.21) 46.86,8.04 47.17,7.73 arc(47.43,7.56) 47.73,7.5 59.47,7.5 arc(59.77,7.56) 60.03,7.73 60.77,8.47 arc(60.94,8.73) 61,9.03 61,10.39 arc(61.15,10.75) 61.51,10.9 64.33,10.9 arc(64.58,10.85) 64.79,10.71 64.81,10.69 arc(65.02,10.55) 65.27,10.5 66.67,10.5 arc(66.88,10.54) 67.06,10.66 67.09,10.69 arc(67.14,10.76) 67.15,10.84 U5.13
  BOTTOM w0.2: J4.5 45.2,6.94 arc(45.25,7.18) 45.39,7.39 v1(45.6,7.6)
UPLD_TXD1: length 6.8
  TOP w0.35: TP1.1 6.7,13.5 6,14.2 R33.1 6,15.69 6.1,15.79 R31.1
UPLD_TXD2: length 25.6
  TOP w0.16: U5.9 64.08,13.75 arc(63.78,13.81) 63.52,13.98 61.73,15.77 arc(61.47,15.94) 61.17,16 51.93,16 arc(51.63,15.94) 51.37,15.77 v1(50.73,15.13)
  BOTTOM w0.2: v1(50.73,15.13) 49.99,14.39 arc(49.67,14.18) 49.29,14.1 R63.1
